# Altium PCB SENSEI_Sensor-Shield.PcbDoc (part 1 of 2) (continued)
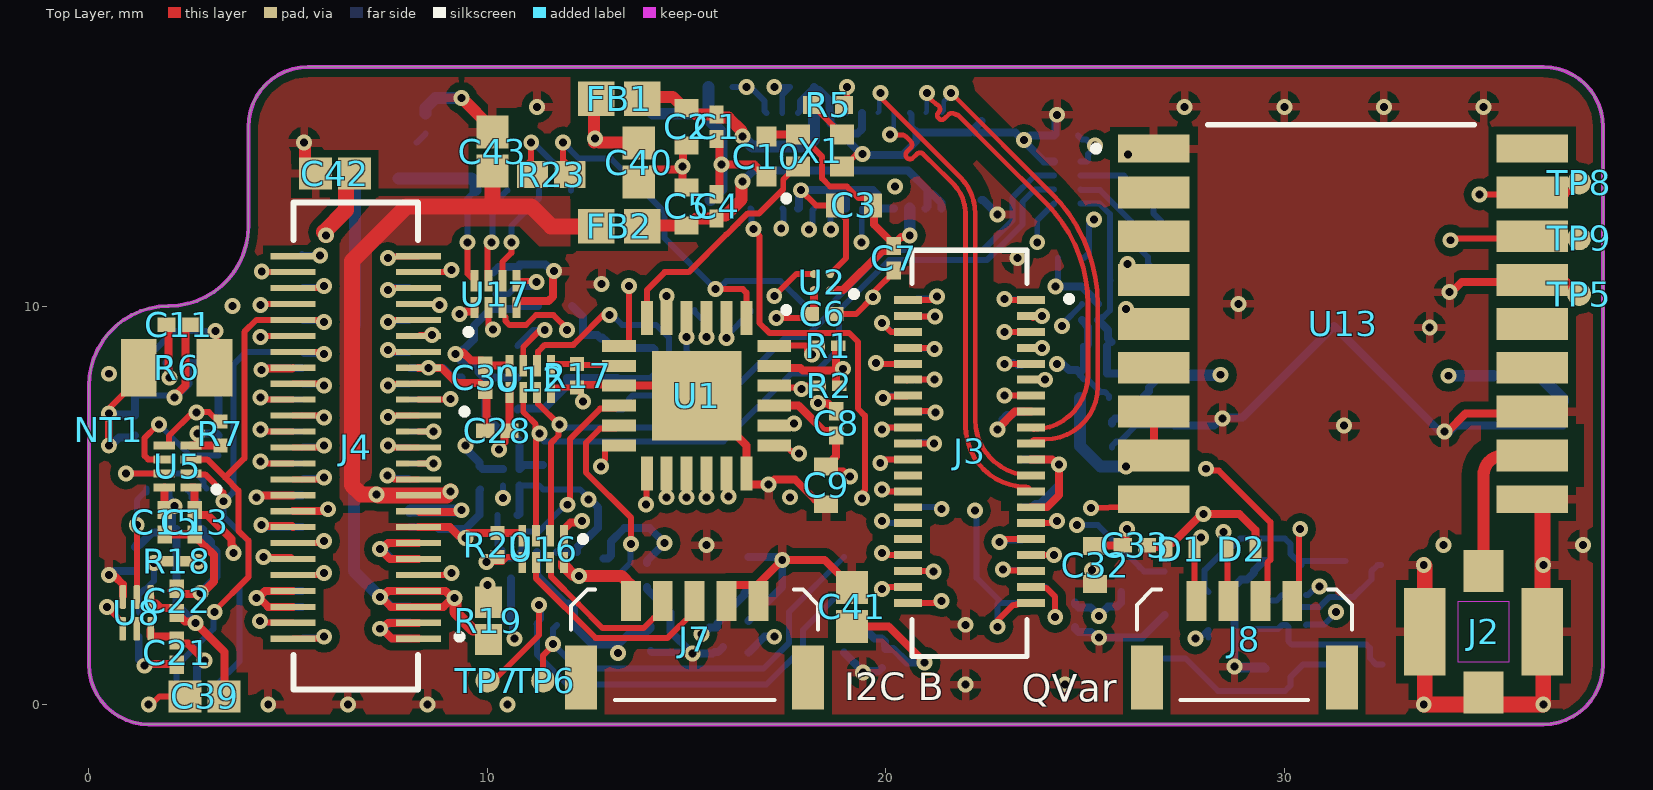
[diagram p0: Top Layer view]
## Part data (continued)
J2: "U.FL/MHF1 Jack 50 Ohm PCB Surface Mount", Package=None, Check_prices=https://www.snapeda.com/parts/CONMHF1-SMD-G-T/Linx/view-part/?ref=eda, MF="Linx Technologies Inc.", MP=CONMHF1-SMD-G-T, SnapEDA_Link=https://www.snapeda.com/parts/CONMHF1-SMD-G-T/Linx/view-part/?ref=snap
J3: "40 Position 0.4mm Pitch Dual Row Vertical Surface Mount (SMT) Pin Socket, 3.0mm Stacking Height", Package=None, Availability=Unavailable, MP=DF40HC(3.0)-40DS-0.4V(51), Price=None, System=Connector
J4: "50 Position 0.4mm Pitch Dual Row Vertical Surface Mount (SMT) Pin Socket, 3.0mm Stacking Height", Mfr_Name=Hirose, Copyright="Copyright (C) 2023 Ultra Librarian. All rights reserved.", Manufacturer_Part_Number=DF40HC(3.0)-50DS-0.4V(51), RefDes=RefDes, Type=DEV
J5: "50 Position 0.4mm Pitch Dual Row Vertical Surface Mount (SMT) Receptacle", Current Rating=300mA, Max Operating Temperature=85°C, Min Operating Temperature=-35°C, Package Quantity=1, Voltage Rating=30V, Connector Type=Plug, Contact Material=Bronze, Contact Plating=Gold, Gender=Male, Housing Material=Polymer, Lead Free="Lead Free", Mated Stacking Heights=4mm, Mount="Surface Mount", Number of Contacts=40, Number of Positions=40, Number of Rows=2, Orientation=Straight, Packaging="Tape and Reel", Pitch=0.4mm, REACH SVHC="No SVHC", System=Connector, Termination=SMD/SMT
J6: "50 Position 0.4mm Pitch Dual Row Vertical Surface Mount (SMT) Receptacle,", Mfr_Name=Hirose, Copyright="Copyright (C) 2023 Ultra Librarian. All rights reserved.", Manufacturer_Part_Number=DF40C-50DP-0.4V(51), RefDes=RefDes, System=Connector, Type=DEV
J7 J9: "Hirose DF52 52 Series 0.8mm Pitch 5 Way Right Angle Female FPC Connector", Manufacturer_Name=Hirose, Mouser Part Number=798-DF52-5S-0.8H21, Datasheet Link=https://www.hirose.com/product/en/products/DF52/DF52-5S-0.8H%2821%29/, Geometry.Height=1mm, Manufacturer_Part_Number=DF52-5S-0.8H(21), Mouser Price/Stock=https://www.mouser.co.uk/ProductDetail/Hirose-Connector/DF52-5S-0.8H21?qs=%2FKR40Cd6GUoIdnvQLqKyqQ%3D%3D
J8: "Hirose DF52 52 Series 0.8mm Pitch 4 Way Right Angle Female FPC Connector", Manufacturer_Name=Hirose, Mouser Part Number=798-DF52-4S-0.8H21, Supplier Part Number 1=1620926, Datasheet Link=https://www.hirose.com/product/en/products/DF52/DF52-5S-0.8H%2821%29/, Geometry.Height=1mm, Manufacturer_Part_Number=DF52-4S-0.8H(21), Mouser Price/Stock=https://www.mouser.co.uk/ProductDetail/Hirose-Connector/DF52-4S-0.8H21?qs=%2FKR40Cd6GUqI6DynPcUU4w%3D%3D, Supplier 1=Rs
NT1: library part Net_Tie_0_2_mm_0_4_mm
R1 R2 R8 R18: library part CMP-26527-002755-1, "RES 10K OHM 1% 1/20W 0201", Case Code (Imperial)=0201, Case Code (Metric)=0603, Max Operating Temperature=125°C, Max Power Dissipation=50mW, Min Operating Temperature=-55°C, Resistance=10k, Resistor Type="Thick Film", Temperature Coefficient=200ppm/°C, Tolerance=1%, Case/Package=0201, Contact Plating=Tin, Height=0.009inch, Length=0.024inch, Mount="Surface Mount", Number of Terminations=2, Packaging="Tape and Reel", Power Rating=50mW, RoHS Compliant=Yes, Series=RMCF, Width=0.012inch
R3 R4 R7 R16 R17 R20 R22: library part CMP-1010-00146-1, "1M 0.05W 5% 0201 (0603 Metric)  SMD", Case-EIA=0201, Case-Metric=0603, Power="0.05 W", Resistance=1M, Tolerance="5 %", Technology=SMT
R5: library part CMP-2002-00605-3, "Chip Resistor, 100 Ohm, +/- 1%, 100 mW, -55 to 155 degC, 0402 (1005 Metric), RoHS, Tape and Reel", Case Code (Imperial)=0402, Case Code (Metric)=1005, Manufacturer="Basic Passives", Max Operating Temperature="155 degC", Min Operating Temperature="-55 degC", Package Quantity=10000, Power Rating="100 mW", Resistance=100R, Tolerance=1%, Voltage Rating="50 V", Case\/Package=0402, ComponentLink1Description="Manufacturer URL", ComponentLink1URL=http://www.panasonic.com/, ComponentLink2Description=Datasheet, ComponentLink2URL=http://industrial.panasonic.com/cdbs/www-data/pdf/RDA0000/AOA0000C86.pdf, DatasheetVersion=04/2015, Height="0.35 mm", Length="1 mm", Mount="Surface Mount", Mounting Technology="Surface Mount", PackageDescription="2-Pin Surface Mount Device, Body 1 x 0.5 mm", PackageReference=0402, Packaging="Tape and Reel", PartNumber=ERJ-2RKF1000X, Pins=2, Radiation Hardening=No, REACH SVHC=Yes, RoHSCompliant=true, Width="0.5 mm"
R6: "3.3M Ohm .1% 25PPM 1/8W", Manufacturer="Vishay BCcomponents", Manufacturer_Name=Vishay, Mouser Part Number=594-MCU0805MD3304BP5, Resistance=3.3M, Tolerance=0.1%, Category="Chip SMD Resistors", Datasheet Link=https://www.mouser.in/datasheet/2/427/mc_at_precision-1762846.pdf, Geometry.Height=0.62mm, Manufacturer Part Number=MCU0805MD3304BP500, Manufacturer_Part_Number=MCU0805MD3304BP500, Mouser Price/Stock=https://www.mouser.co.uk/ProductDetail/Vishay-Beyschlag/MCU0805MD3304BP500?qs=A6eO%252BMLsxmSZlVWVx087zg%3D%3D, RoHS=No
R9 R12 R13 R14 R19 R21 R23: library part CMP-26527-007617-1, "RES 0 OHM JUMPER 1/16W 0402", Case Code (Imperial)=0402, Case Code (Metric)=1005, Current Rating=1A, Max Operating Temperature=155°C, Max Power Dissipation=63mW, Min Operating Temperature=-55°C, Resistance=0R, Resistor Type="Thick Film", Working Voltage=50V, Case/Package=0402, Construction=Rectangular, Contact Plating=Tin, Depth=0.5mm, Features="Automotive AEC-Q200", Height=0.016inch, Lead Free="Lead Free", Length=0.039inch, Military Standard=Not, Mount="Surface Mount", Number of Terminations=2, Packaging="Tape and Reel", Power Rating=63mW, Radiation Hardening=No, RoHS Compliant=Yes, Series=RMCF, Technology="THICK FILM", Width=0.02inch
R10 R11: library part CMP-2004-03369-1, "Thick Film Resistors - SMD 0201 499ohm 1% HalogenFree AEC-Q200", Manufacturer=Panasonic, Resistance=500R, Tolerance=1%, Part Number=ERJ-1GNF4990C
R15: library part CMP-1011-00247-3, "RES Thick Film, 4.7Ω, 1%, 0.063W, 100ppm/°C, 0402", Case Code (Imperial)=0402, Case Code (Metric)=1005, Max Operating Temperature=155°C, Max Power Dissipation=63mW, Min Operating Temperature=-55°C, Package Quantity=10, Resistance=4.7R, Temperature Coefficient=100ppm/°C, Tolerance=1%, Voltage Rating=50V, Case/Package=0402, Composition="Thick Film", Contact Plating=Tin, Depth=0.5mm, Features="Automotive AEC-Q200", Height=0.016inch, Length=1mm, Military Standard=Not, Number of Pins=2, Number of Terminations=2, Packaging="Tape and Reel", Power Rating=63mW, Radiation Hardening=No, Weight=2.3E-05oz, Width=0.02inch
TP1 TP2 TP3 TP4 TP5 TP6 TP7 TP8 TP9: library part CMP-00224-2, "0.6mm SMT Test Pad", Mounting Technology=SMT
U1: library part PCA6416AHF_128, "Parallel I/O Port, 16-Bit, 16 I/O, CMOS, PQCC24", Manufacturer="NXP Semiconductors", Manufacturer_Name=NXP, Max Operating Temperature=85°C, Max Supply Voltage=5.5V, Min Operating Temperature=-40°C, Min Supply Voltage=1.65V, Mouser Part Number=771-PCA6416AHF,128, Package Body Material=Plastic, Package Code=HVQCCN, Package Equivalence Code=LCC24,.16SQ,20, Package Shape=Square, Package Style="CHIP CARRIER, HEAT SINK/SLUG, VERY THIN PROFILEMeter", Power Supplies=1.8/5V, Supplier Part Number 1=2776177, Supply Voltage-Nom=1.8V, Temperature Grade=INDUSTRIAL, Category="Interface ICs", ComponentLink1Description=https://datasheet.ciiva.com:443/pdfs/VipMasterIC/IC/PHGL/PHGLS25934/PHGLS25934-1.pdf?src-supplier=IHS+Markit, ComponentLink1URL=https://datasheet.ciiva.com:443/pdfs/VipMasterIC/IC/PHGL/PHGLS25934/PHGLS25934-1.pdf?src-supplier=IHS+Markit, ComponentLink2Description=https://datasheet.ciiva.com/12072/pca6416a-12072630.pdf?src-supplier=Mouser, ComponentLink2URL=https://datasheet.ciiva.com/12072/pca6416a-12072630.pdf?src-supplier=Mouser, ComponentLink3Description=https://datasheet.ciiva.com/6633/pca6416a-6633097.pdf?src-supplier=Digikey, ComponentLink3URL=https://datasheet.ciiva.com/6633/pca6416a-6633097.pdf?src-supplier=Digikey, ComponentLink4Description=https://datasheet.ciiva.com/6633/pca6416a-6633101.pdf?src-supplier=Digikey, ComponentLink4URL=https://datasheet.ciiva.com/6633/pca6416a-6633101.pdf?src-supplier=Digikey, ComponentLink5Description=https://datasheet.ciiva.com/6633/pca6416a-6633099.pdf?src-supplier=Digikey, ComponentLink5URL=https://datasheet.ciiva.com/6633/pca6416a-6633099.pdf?src-supplier=Digikey, Datasheet Link=http://www.nxp.com/docs/en/data-sheet/PCA6416A.pdf, Geometry.Height=0.8mm, Height - Seated (Max)=0.8mm, Length=4mm, Manufacturer Part Number=PCA6416AHF,128, Manufacturer_Part_Number=PCA6416AHF,128, Moisture Sensitivity Level=1, Mouser Price/Stock=https://www.mouser.co.uk/ProductDetail/NXP-Semiconductors/PCA6416AHF128?qs=O0BhuZj9WkwU5QGYRyX1YQ%3D%3D, Number of Bits=16, Number of I/O Lines=16, Number of Pins=24, Number of Ports=2, Pricing 1="1=1.64, 10=1.34, 50=1.19, 100=1.04, 250=0.978, 500=0.857, 1000=0.711, 2500=0.662 (CHF)", Qualification Status="Not Qualified", Reach SVHC Compliant=Yes, RoHS=Yes, RoHS Compliant=Yes, Stock 1=2757, Supplier 1=Farnell, Surface Mount=Yes, Technology=CMOS, Terminal Form="No Lead", Terminal Pitch=0.5mm, Terminal Position=QUAD, Width=4mm
U2 U9 U10: "5.5-V, 2-A, 60-m?, 10-nA leakage load switch with output discharge 4-DSBGA -40 to 85", Package="DSBGA-4 Texas Instruments", Supplier Part Number 1=595-TPS22916CYFPR, Availability=Warning, MF="Texas Instruments", MP=TPS22916BYFPT, Price=None, Purchase-URL=https://pricing.snapeda.com/search/part/TPS22916BYFPT/?ref=eda, SnapEDA_Link=https://www.snapeda.com/parts/TPS22916BYFPT/Texas%20Instruments/view-part/1499005/?ref=snap, Supplier 1=Mouser
U3: "No Description Available", Manufacturer_Part_Number=ILPS28QSWTR, Mfr_Name=STMicroelectronics, Supplier Part Number 1=511-ILPS28QSWTR, Copyright="Copyright (C) 2023 Ultra Librarian. All rights reserved.", RefDes=RefDes, Supplier 1=Mouser, Type=DEV
U4: "3-Channel UV-A/B/C Spectral Sensor-ICs", Manufacturer_Name="ams OSRAM", Mouser Part Number=985-AS7331TOLGA16LFT, Datasheet Link=https://ams.com/documents/20143/9106314/AS7331_DS001047_4-00.pdf, Geometry.Height=1.1mm, Manufacturer_Part_Number=AS7331-AQFT, Mouser Price/Stock=https://www.mouser.ch/ProductDetail/ams-OSRAM/AS7331-AQFT?qs=rQFj71Wb1eWlOxzFWeDWjA%3D%3D, Supplier 1=Mouser, Supplier Part Number 1=985-AS7331TOLGA16LFT
U5 U11 U12 U16 U17: library part CMP-04899-000003-1, "IC TRNSLTR BIDIRECTIONAL 8X2SON", Ambient Temperature Range High=+85°C, Ambient Temperature Range Low=-40°C, Manufacturer="Texas Instruments", Max Junction Temp=+150°C, Max Supply Voltage=5.5V, Min Supply Voltage=1.65V, Nominal Supply Current=14.4uA, Package=DQE0008A, Temperature="-40°C to +85°C", Automotive=No, Category=IC, ComponentLink2Description=Datasheet, ComponentLink2URL=http://www.ti.com/lit/ds/symlink/txs0102.pdf, Data Rate=24Mbits/s, Device Class L1="Integrated Circuits (ICs)", Device Class L2="Logic ICs", Device Class L3="Voltage Level Shifters", Digikey Description="IC TRNSLTR BIDIRECTIONAL 8X2SON", Height=0.4mm, Ipc Land Pattern Name=DFN140X100X37-8, Lead Free=Yes, Logic Function Desc=Non-Inverting, Manufacturer Part Number=TXS0102DQER, Mouser Description="Translation - Voltage Levels 2B Bidirec Vltg-Lev Translator", Number of Circuits=1, Number Of Inputs=2, Number Of Outputs=2, Octopart=https://octopart.com/txs0102dqer-texas+instruments-19973770, Propagation Delay=28ns, RoHS=TRUE, Standoff Height=0mm, Temperature Range High=+85°C, Temperature Range Low=-40°C, V A Max=3.6V, V A Min=1.25V, V B Max=5.5V, V B Min=2.3V
U6: "Gas sensor measuring relative humidity, barometric pressure, ambient temperature and gas (VOC)", Package=None, Supplier Part Number 1=828-BME688CT-ND, Availability=Unavailable, MP=BME688, Price=None, Supplier 1=Digi-Key
U7: library part CMP-12177-000014-1, "INEMO INERTIAL MODULE: ALWAYS-ON"
U8: library part CMP-0859-00946-4, "IC TRNSLTR UNIDIRECTIONAL 6SON", Case/Package=SON, High Level Output Current=-6mA, Low Level Output Current=6mA, Max Operating Temperature=85°C, Max Supply Voltage=3.6V, Min Operating Temperature=-40°C, Min Supply Voltage=900mV, Package Quantity=5000, Quiescent Current=500nA, Channel Type=Unidirectional, Contact Plating=Gold, Lead Free="Lead Free", Logic Function=Translator, Mount="Surface Mount", Number of Bits=1, Number of Channels=1, Number of Circuits=1, Number of Pins=6, Output Type=Voltage, Packaging="Tape and Reel", Propagation Delay=3.6ns, Radiation Hardening=No, RoHS Compliant=Yes, Series=74AUP, Technology=CMOS
U13: "u-blox M10 GNSS module ROM, TCXO, LNA, SAW LCC, 9.7x10 mm, 500 pcs/reel", Manufacturer_Name=U-Blox, Mouser Part Number=377-SAM-M10Q-00B, Supplier Part Number 1=672-MAX-M10S-00BCT-ND, Datasheet Link=https://content.u-blox.com/sites/default/files/MAX-M10S_DataSheet_UBX-20035208.pdf, Geometry.Height=6.8mm, Manufacturer_Part_Number=MAX-M10S-00B, Mouser Price/Stock=https://www.mouser.ch/ProductDetail/u-blox/MAX-M10S-00B?qs=A6eO%252BMLsxmT0PfQYPb7LLQ%3D%3D, Supplier 1=Digikey
U14: "Digital output type ambient light sensor IC is composed of photodiodes, current-voltage converter circuit, A / D converter, control logic circuits, interface circuits and etc. It connects with I²C Bus in an equipment", Mfr_Name="ROHM Semiconductor", Supplier Part Number 1=BH1730FVCCT-ND, Copyright="Copyright (C) 2024 Ultra Librarian. All rights reserved.", Manufacturer_Part_Number=BH1730FVC-TR, RefDes=RefDes, Supplier 1=Digikey, Type=DEV
U15: library part CMP-144026-000007-1, "CO2 SENSOR 40 PPM I2C SMD"
X1: "CONTINUOUS VOLTAGE SMD CRYSTAL OSCILLATOR", Manufacturer_Name=ABRACON, Mouser Part Number=815-ASCODV-24.00LRT3, Supplier Part Number 1=535-ASCODV-24.000MHZ-LR-T3CT-ND, Datasheet Link=https://abracon.com/datasheets/ASCODV.pdf, Geometry.Height=0.8mm, Manufacturer_Part_Number=ASCODV-24.000MHz-LR-T3, Mouser Price/Stock=https://www.mouser.co.uk/ProductDetail/ABRACON/ASCODV-24.000MHz-LR-T3?qs=ulEaXIWI0c%2FIRLeg8YCLgQ%3D%3D, Supplier 1=Digikey

## Via types
v1: diameter 0.4, hole 0.2, Top Layer to Bottom Layer, tented both sides, 223 vias
v2: diameter 0.4, hole 0.2, Top Layer to Bottom Layer, 27 vias

## Nets (pads, with @x,y where several pads share a name; then routed paths per layer and width w, separated by ;. In a path a pad name is that pad's centre, name@x,y a point inside that pad or via, vN(x,y) a via of type N, cw(c..) or ccw(c..) an arc to the next point about the centre after c; other vN are vias at no path point)
1V2: C43.1 FB2.2 J4.10 J6.10 | length 18
  Top Layer w0.4: v1(7.22,5.272) 6.834,5.272 6.6,5.506 6.6,8.193 6.6,11.125 7.975,12.5 10.15,12.5 ; v1@7.269,5.25 J4.10@8.275,5.25 8.973,5.25 v1(9.073,5.35) ; C43.1@10.125,13.386 10.125,12.525 10.15,12.5 ; FB2.2@12.733,12.001 11.599,12.001 11.1,12.5 10.15,12.5
  Bottom Layer w0.2: v1(7.22,5.272) ccw(c7.063,5.396) 7.25,5.325 ccw(c7.325,5.325) 7.325,5.25 J6.10@8.055,5.25 8.973,5.25 v1(9.073,5.35)
1V8: C6.1 C8.1 C9.1 C12.1 C13.1 C16.1 C17.1 C18.1 C19.1 C21.1 C27.1 C28.1 C32.1 C33.1 C36.1 C41.1 J4.6 J4.7 J6.6 J6.7 R1.1 R2.1 R18.1 U1.21 U1.23 U2.A2 U3.6 U5.1 U6.2 U6.6 U6.8 U7.5 U7.8 U7.12 U8.6 U11.1 U12.1 U13.7 U13.8 U14.5 U16.1 U17.1 | length 48.4
  Top Layer w0.15: v1(1.631,3.554) 1.654,3.577 1.923,3.577 R18.1@1.946,3.6 ; v1(17.25,9.7) 17.996,9.7 C6.1@18.096,9.8 ; C9.1@18.575,5.975 18.725,6.125 18.725,6.2 18.725,6.225 ; C8.1@18.725,6.556 18.725,6.63 18.725,6.725 C8.1@18.75,6.75
  Top Layer w0.2: U8.6@1.55,1.873 1.55,1.719 1.569,1.7 2.1,1.7 C21.1@2.1,1.659 ; C21.1@2.2,1.609 2.281,1.527 2.48,1.527 2.9,1.108 v1(2.9,1.1) ; U5.1@2.56,5.45 2.65,5.45 C13.1@2.65,4.879 2.65,4.834 2.731,4.752 2.973,4.752 3.575,4.15 3.575,4 3.625,3.949 v2(3.625,3.8) ; J4.6@8.275,3.65 7.55,3.65 v1(7.3,3.9) 7.354,3.9 7.504,4.05 J4.7@8.275,4.05 ; v1(9.3,9.8) 9.36,9.86 9.675,9.86 U17.1@9.675,9.965 ; v2(10.291,6.403) 10.291,6.457 10.427,6.593 10.427,6.794 10.509,6.875 C28.1@10.554,6.875 10.55,6.879 U12.1@10.55,7.83 ; U16.1@11.925,4.235 11.925,4.4 12.089,4.564 12.334,4.564 v1(12.372,4.603) ; U1.21@17.2,7.5 17.806,7.5 18.436,6.869 18.669,6.869 18.676,6.862 18.676,6.63 18.725,6.63 18.743,6.63 18.75,6.623 18.75,6.225 18.725,6.2 C9.1@18.5,5.975 18.575,5.975 18.7,5.85 18.921,5.85 19.046,5.725 v1(19.1,5.725) ; U1.23@17.2,8.5 17.25,8.45 17.853,8.45 17.923,8.38 18.68,8.38 v1@18.75,8.45 ; C6.1@18.096,9.8 18.197,9.901 U2.A2@18.197,10.397 ; R2.1@18.754,8 18.75,8.004 v1@18.75,8.425 ; R1.1@18.804,9 18.75,8.946 v1@18.75,8.45 ; v1(18.925,8.425) v1@18.75,8.425 ; C41.1@19.15,1.961 20.064,1.961 v1(20.975,1.05) ; C32.1@25.25,3.975 25.262,3.988 25.933,3.988 C33.1@25.946,4 26.012,4.066 26.012,4.362 v1(26.05,4.4) ; v1(26.031,5.975) 26.45,5.975 U13.8@26.725,6.25 U13.7@26.725,7.35 ; v1@18.75,8.425 v1@18.75,8.45
  Mid-Layer 4 w0.4: v1(9.3,9.8) 9.5,9.6 9.5,9.3 9.8,9 9.8,8.7 10.291,8.209 v2(10.291,6.403)
  Bottom Layer w0.15: C36.1@1.25,2.304 1.25,2.756 1.385,2.891 1.422,2.891 1.631,3.1 v1(1.631,3.554) ; v1(23.8,11.6) 23.8,12.15 24.215,12.565 U11.1@24.215,12.575
  Bottom Layer w0.2: U14.5@2.7,0.5 2.714,0.514 2.714,0.912 2.825,1.023 v1@2.825,1.05 ; v1(7.3,3.9) v1@7.354,3.9 ; J6.6@8.055,3.65 8.048,3.657 7.597,3.657 v1@7.354,3.9 ; J6.7@8.055,4.05 7.504,4.05 v1@7.354,3.9 ; U7.5@11.25,3.825 11.25,3.238 11.95,2.538 12.029,2.538 12.175,2.391 12.175,2.075 U7.12@12.25,2 12.25,1.888 12.638,1.5 13.275,1.5 v1(13.275,1.295) ; U7.8@12.913,3.663 13.025,3.663 13.1,3.738 13.1,4.091 13.434,4.425 14.075,4.425 v2(14.45,4.05) 14,3.6 C18.1@14,3.554 ; 13.329,1.55 13.619,1.84 14.019,1.84 14.1,1.921 C19.1@14.1,1.954 ; v1(15.369,1.763) 15.386,1.763 15.4,1.749 15.578,1.927 15.769,1.927 15.769,2.031 15.837,2.1 15.919,2.181 15.964,2.181 16.1,2.317 16.1,2.404 16.45,2.754 16.45,2.8 U6.6@16.55,2.9 ; U6.8@16.55,1.3 16.95,1.7 v1(17.2,1.7) ; U6.2@18.95,2.1 19,2.05 19.325,2.05 19.719,1.656 19.894,1.656 19.975,1.575 C16.1@19.975,1.484 ; C16.1@19.986,1.398 20.185,1.398 20.533,1.05 v1(20.975,1.05) ; C12.1@24.75,2.554 24.75,2.52 24.831,2.438 25.133,2.438 25.346,2.225 v2(25.35,2.225) 25.58,2.455 25.805,2.455 25.908,2.558 U3.6@25.908,2.825
  Bottom Layer w0.3: C27.1@24.875,7.696 24.875,6.484 25.39,5.969 26.025,5.969 v1(26.031,5.975)
2V8: C40.1 FB1.2 J4.9 J6.9 U2.B2 | length 22.1
  Top Layer w0.15: v1(17.2,10.251) 17.753,10.803 U2.B2@18.197,10.803
  Top Layer w0.2: J4.9@8.35,4.825 8.299,4.826 8.833,4.826 8.834,4.825 9.246,4.825 9.296,4.875 v1(9.35,4.875)
  Top Layer w0.3: v1@12.675,14.1 12.675,15.143 FB1.2@12.733,15.201 ; v1(12.7,14.2) 12.8,14.1 13.789,14.1 C40.1@13.8,14.089
  Mid-Layer 4 w0.41: v1(9.35,4.875) 10.375,5.9 10.56,5.9 10.8,6.14 10.8,6.5 ; 10.8,6.523 10.8,9.5 11.325,10.025 11.625,10.025 14.25,12.65 ; v1(12.7,14.2) 14.25,12.65 ; v1(17.2,10.251) 16.649,10.251 14.25,12.65
  Bottom Layer w0.3: J6.9@8.055,4.85 8.068,4.862 9.337,4.862 v1(9.35,4.875)
3V3: C14.1 C15.1 C22.1 C23.1 C24.1 C35.1 C39.1 J4.42 J6.42 U4.10 U5.8 U8.1 U9.A2 U10.A2 U14.1 | length 14.2
  Top Layer w0.2: U8.1@1.55,2.7 1.55,2.551 1.569,2.532 1.687,2.532 1.796,2.423 2.119,2.423 2.2,2.341 C22.1@2.2,2.296 2.2,2.25 2.281,2.169 2.327,2.169 2.412,2.084 2.633,2.084 v1(2.671,2.046) 3.4,1.316 3.4,0.211 C39.1@3.389,0.2 ; C15.1@1.879,4.9 1.895,4.884 1.895,5.45 U5.8@1.89,5.45 ; C15.1@1.9,4.879 1.958,4.937 2.112,4.937 v1(2.15,4.975) ; J4.42@5.125,4.85 5.896,4.85 5.946,4.9 v1(6,4.9)
  Bottom Layer w0.15: v2(24.26,10.487) 24.26,10.555 24.321,10.615 C23.1@24.321,11.2
  Bottom Layer w0.2: C35.1@1.15,3.954 1.196,4 1.266,4 1.584,4.319 C14.1@2.085,4.319 ; U4.10@1.95,5.425 2,5.375 2,5.179 2.15,5.029 v1(2.15,4.975) ; v1@2.112,4.932 2.112,4.883 2.08,4.852 2.08,4.481 2.162,4.4 C14.1@2.196,4.4 C14.1@2.196,4.4 2.198,3.702 2.2,3.7 2.2,2.516 v1(2.671,2.046) ; J6.42@5.345,4.85 5.355,4.86 5.906,4.86 5.946,4.9 v1(6,4.9) ; v2(9.45,6.5) 9.45,6.425 9.8,6.075 C24.1@9.8,6.029 9.8,5.985 9.881,5.904 U10.A2@10.396,5.904 ; v2(24.26,10.487) 24.914,10.487 25.223,10.178 25.223,10.159 U9.A2@25.328,10.053
3V3A: C11.1 C42.1 J4.41 J6.41 U4.3 | length 17.5
  Top Layer w0.2: C11.1@1.996,9.5 1.996,8.307 2.006,8.297 2.006,8.22 v1(2.025,8.2) ; v1(4.2,5.2) 4.254,5.2 4.304,5.25 J4.41@5.125,5.25
  Top Layer w0.4: v1(5.95,11.776) 5.95,11.806 5.9,11.857 6.45,12.407 6.45,13.122 6.653,13.325 C42.1@6.664,13.325
  Mid-Layer 4 w0.4: v1(2.025,8.2) v1@2.075,8.2 ; v1@2.076,8.2 2.733,8.2 3.425,7.508 3.425,5.975 v1(4.2,5.2) 4.875,5.875 4.875,11.047 5.611,11.783 5.942,11.783 v1(5.95,11.776)
  Bottom Layer w0.2: U4.3@1.95,8.575 2,8.525 2,8.252 2.025,8.227 v1(2.025,8.2) ; v1(4.2,5.2) 4.254,5.2 4.304,5.25 J6.41@5.345,5.25
ADS_A_DR: J4.22 J6.22 | length 1.4
  Top Layer w0.15: J4.22@8.275,10.05 J4.22@8.275,10.05 8.841,10.051 8.816,10.026 v1(8.8,10.026)
  Bottom Layer w0.15: J6.22@8.055,10.05 8.776,10.05 v1(8.8,10.026)
ADS_B_DR: J4.23 J6.23 | length 1.4
  Top Layer w0.15: v1(7.5,10.4) 7.55,10.45 J4.23@8.275,10.45
  Bottom Layer w0.15: v1(7.5,10.4) 7.575,10.475 8.03,10.475 J6.23@8.055,10.45
AGND_3V3: C11.2 NT1.1 R6.1 U4.1 U4.2 U4.5 U4.6 U4.15 U4.16 | length 8.5
  Top Layer w0.15: NT1.1@0.5,7.425 1.05,7.975 R6.1@1.05,8.5
  Top Layer w0.2: v1(2.145,7.7) 2.145,7.727 2.425,8.007 2.425,9.371 2.427,9.373 2.427,9.419 2.509,9.5 C11.2@2.554,9.5
  Bottom Layer w0.15: U4.5@1.15,7.75 2.054,7.75 2.104,7.7 v1(2.145,7.7)
  Bottom Layer w0.2: NT1.1@0.5,7.3 0.525,7.275 1.125,7.275 U4.6@1.15,7.25 U4.5@1.15,7.75 ; v1(2.145,7.7) 2.5,8.055 2.5,8.391 2.4,8.491 2.4,8.525 U4.2@2.45,8.575 U4.1@2.95,8.575 2.95,8.05 U4.16@3.25,7.75 U4.15@3.25,7.25
AS7331_READY: U1.5 U8.4 | length 21.6
  Top Layer w0.15: v2(0.45,2.45) 0.775,2.125 0.84,2.125 0.85,2.115 U8.4@0.85,2.05 ; U1.5@14.5,9.7 v2@14.5,10.25
  Mid-Layer 4 w0.15: v2(0.45,2.45) 2.225,0.675 7.776,0.675 9.6,2.499 9.6,3.775 14.456,8.631 ccw(c14.35,8.737) 14.5,8.733 v2@14.5,10.249
  other v2: 14.501,10.25
AS7331_READY_3V3: U4.9 U8.2 | length 2.8
  Top Layer w0.15: U8.2@1.2,2.727 v2(1.2,4.5)
  Bottom Layer w0.15: v2(1.2,4.5) 1.2,5.113 1.217,5.131 1.217,5.148 1.395,5.325 1.45,5.325 U4.9@1.45,5.425
BH1730_INT: R18.2 U1.13 U14.2 | length 13.7
  Top Layer w0.15: R18.2@2.454,3.6 2.463,3.591 2.726,3.591 v1(2.735,3.582) ; v1(13.98,5.021) 13.996,5.037 13.996,5.796 U1.13@14,5.8
  Mid-Layer 2 w0.15: v1(2.735,3.582) 2.813,3.582 3.445,2.95 3.756,2.95 3.855,3.05 4.426,3.05 4.551,2.925 6.055,2.925 6.53,3.4 8,3.4 8.375,3.775 9.62,3.775 9.982,4.138 12.938,4.138 13.838,5.038 13.963,5.038 v1(13.98,5.021)
  Bottom Layer w0.15: U14.2@2.7,3.7 2.7,3.617 v1(2.735,3.582)
CSI_CLK_N: J1.12 J3.17 | length 11.8
  Top Layer w0.117: v1@21.031,15.35 ccw(c21.404,15.425) 21.07,15.242 ccw(c21.404,15.425) 21.103,15.192 21.255,15.075 21.29,15.051 21.297,15.048 cw(c21.242,14.945) 21.324,14.862 ccw(c21.401,14.785) 21.324,14.709 ccw(c21.401,14.785) 21.478,14.709 21.575,14.806 cw(c21.658,14.723) 21.713,14.827 21.744,14.81 ccw(c21.933,15.712) 21.765,14.806 cw(c21.744,14.691) 21.807,14.79 cw(c21.744,14.691) 21.826,14.774 22.714,13.886 24.022,12.578 cw(c23.94,12.495) 24.023,12.577 24.024,12.576 cw(c21.487,10.04) 25.074,10.04 25.074,8.274 cw(c23.7,8.274) 23.738,6.901 cw(c23.735,7.017) J3.17@23.64,6.95
  Bottom Layer w0.117: J1.12@21,14.85 21.025,14.875 21.025,15.325 21.031,15.331 v1(21.031,15.35)
CSI_CLK_P: J1.13 J3.19 | length 11.8
  Top Layer w0.117: v1@21.638,15.35 cw(c21.556,15.267) 21.644,15.344 21.665,15.319 ccw(c21.753,15.397) 21.67,15.314 21.688,15.296 24.168,12.816 ; J3.19@23.64,6.55 cw(c23.746,6.55) 23.746,6.656 23.999,6.656 ccw(c23.999,7.975) 25.318,7.975 25.318,9.877 25.318,10.043 ccw(c21.399,10.043) 24.169,12.816
  Bottom Layer w0.117: J1.13@21.4,14.85 21.457,14.907 21.457,15.14 21.601,15.285 ccw(c21.519,15.367) 21.627,15.324 v1(21.638,15.35)
CSI_D0_N: J1.9 J3.23 | length 11.8
  Top Layer w0.117: v1(19.861,15.344) 19.861,15.239 21.863,13.237 cw(c20.943,12.317) 22.244,12.317 22.244,7.147 ; 22.244,7.146 ccw(c23.64,7.146) J3.23@23.64,5.75
  Bottom Layer w0.117: J1.9@19.8,14.85 19.83,14.88 19.83,15.314 v1(19.861,15.344)
CSI_D0_P: J1.10 J3.25 | length 11.9
  Top Layer w0.117: v1(20.1,14.3) 20.186,14.3 20.193,14.292 20.393,14.292 20.415,14.292 cw(c20.415,14.175) 20.465,14.281 20.497,14.258 20.623,14.132 cw(c20.54,14.05) 20.623,13.967 20.528,13.872 ccw(c20.605,13.795) 20.528,13.719 ccw(c20.605,13.795) 20.681,13.719 20.776,13.814 cw(c20.859,13.731) 20.942,13.814 21.092,13.663 21.134,13.622 21.689,13.066 cw(c20.943,12.317) 21.996,12.408 cw(c20.876,12.315) 22,12.315 22,6.991 ; 22,6.99 ccw(c23.534,6.99) 23.524,5.456 cw(c23.524,5.339) J3.25@23.64,5.35
  Bottom Layer w0.117: v1(20.1,14.3) cw(c20.496,14.106) 20.17,14.402 ccw(c20.083,14.481) 20.2,14.482 J1.10@20.2,14.85
EXT_CHG/VUSB: J4.47 J4.48 J6.47 J6.48 | length 4.4
  Top Layer w0.2: v1(4.2,2.675) v1@4.242,2.675 ; J4.48@5.125,2.45 4.499,2.45 4.274,2.675 v1@4.242,2.675 ; J4.47@5.125,2.85 4.417,2.85 v1@4.242,2.675
  Bottom Layer w0.2: v1(4.2,2.675) v1@4.254,2.675 ; J6.48@5.345,2.45 4.499,2.45 4.274,2.675 v1@4.254,2.675 ; J6.47@5.345,2.85 4.429,2.85 4.322,2.743 v1@4.254,2.675
EXT_COMM_EN: J3.8 J5.8 R20.1 R22.1 U16.5 U17.5 | length 30.8
  Top Layer w0.15: v1(9.975,3.58) 9.98,3.575 10.375,3.575 10.5,3.7 10.85,3.7 10.875,3.675 U16.5@10.875,3.565 ; U17.5@10.725,10.635 10.736,10.624 11.213,10.624 v2(11.237,10.6) ; J3.8@20.56,8.95 20.585,8.925 20.61,8.95 21.2,8.95 v1(21.225,8.925)
  Mid-Layer 2 w0.15: v1(9.975,3.58) 10.008,3.613 16.013,3.613 v2(17.6,5.2) ; v2@11.291,10.6 11.716,10.175 13.195,10.175 13.511,9.858 16.242,9.858 16.775,9.325 17.405,9.325 17.98,9.9 18.7,9.9 19.41,10.61 21.439,10.61 21.659,10.39 21.659,9.634 21.225,9.199 v1(21.225,8.925)
  Mid-Layer 4 w0.15: v2(17.6,5.2) 17.634,5.2 19.709,7.275 20.042,7.275 20.306,7.539 20.306,7.938 21.225,8.857 v1(21.225,8.925)
  Bottom Layer w0.15: R22.1@10.2,10.3 10.528,10.3 10.703,10.475 11.112,10.475 v2(11.237,10.6) ; J5.8@20.745,8.95 20.757,8.937 21.212,8.937 v1(21.225,8.925)